# Altium PCB PCBv1.3.PcbDoc (part 2 of 2) (continued)
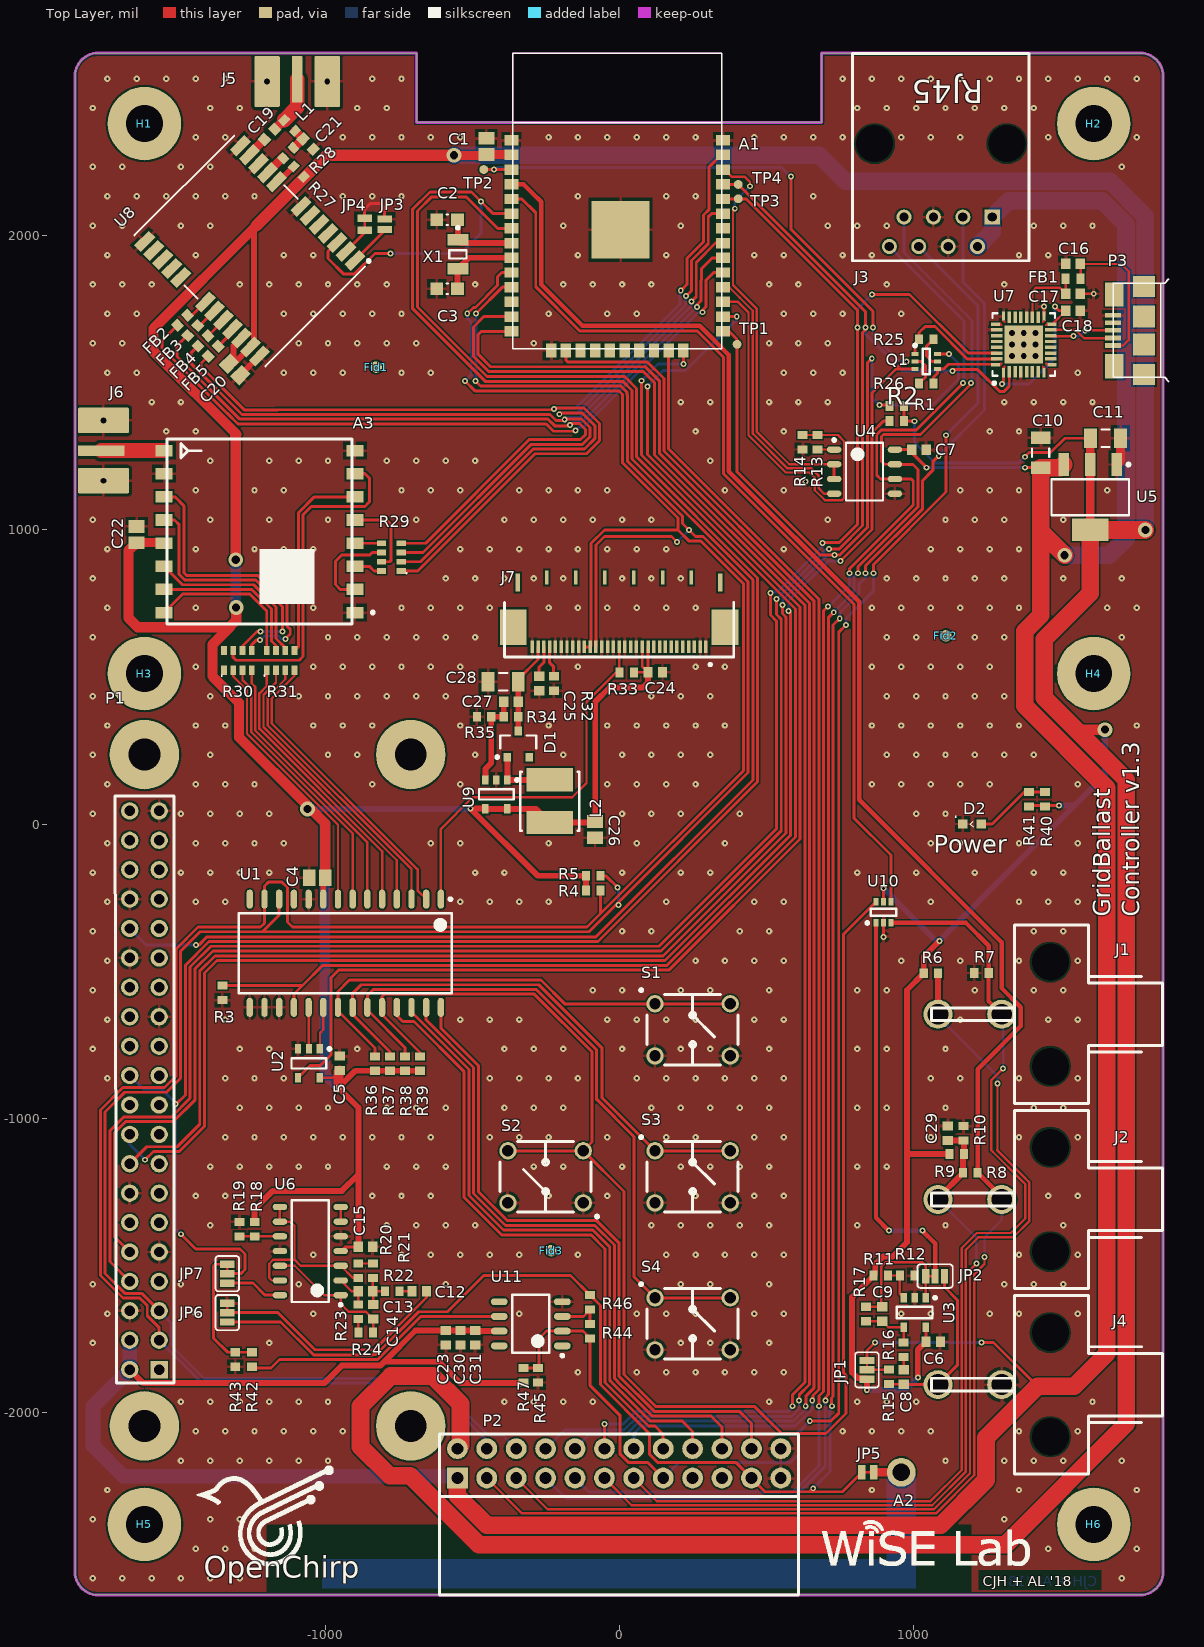
[diagram p0: Top Layer view]
## Nets (pads, with @x,y where several pads share a name; then routed paths per layer and width w, separated by ;. In a path a pad name is that pad's centre, name@x,y a point inside that pad or via, vN(x,y) a via of type N, cw(c..) or ccw(c..) an arc to the next point about the centre after c; other vN are vias at no path point) (continued)
GPS_PPS: A1.6 P1.32 U8.3 | length 6236.9
  Top Layer w10: v2(-1438.75,-412.11) -1429.74,-412.11 -1401.37,-383.75 -78.8,-383.75 455,150.05 455,830.39 43.83,1241.56 43.83,1466.02 43.54,1466.31 43.54,1474.38 12.3,1505.61 -455.45,1505.61 -701.92,1752.07 -701.92,2091.19 -643.43,2149.68 -501.85,2149.68 v2(-469.22,2117.05) -427.78,2075.6 A1.6@-366.24,2075.6 ; U8.3@-959.47,1978.21 -989.97,1947.71 -989.97,1922.95 -936.79,1869.77 -901.05,1869.77 -830.16,1940.67 v2(-777.4,1940.67)
  Bottom Layer w10: P1.32@-1664.17,-355.51 -1607.58,-412.11 v2(-1438.75,-412.11) ; v2(-777.4,1940.67) -537.44,1940.67 -469.22,2008.89 v2(-469.22,2117.05)
I2C.SCL: A1.11 J7.20 P1.5 P2.6 R5.1 U1.12 | length 8530.7
  Top Layer w10: P1.5@-1564.17,-1655.51 -1623.65,-1596.04 -1680.96,-1596.04 -1747.96,-1529.04 -1747.96,-979.23 -1681.08,-912.35 -1539.11,-912.35 -1491.29,-864.53 -1491.29,-432.72 -1425.09,-366.52 -1212.67,-366.52 ; U1.12@-1156.05,-255.56 -1156.05,-309.9 -1212.67,-366.52 ; v2(-488.34,1506.76) -471.18,1489.61 5.68,1489.61 27.54,1467.75 27.54,1459.68 27.83,1459.39 27.83,1234.94 215.91,1046.85 215.91,1021.87 v2(237.97,999.81) 260.02,977.76 285.01,977.76 438.78,823.98 438.78,174.84 -6.5,-270.45 -2.35,-274.59 v2(-2.35,-275.99) ; v2(-486.9,1735.93) -397.24,1825.6 A1.11@-366.24,1825.6 ; J7.20@-78.74,602.36 -78.74,948.71 -49.69,977.76 177.85,977.76 v2(196.88,958.73) ; R5.1@-63.07,-175.95 -45.11,-175.95 v2(-4.92,-216.14) ; v2@-7.2,-271.15 -102.58,-366.52 -1212.67,-366.52
  Bottom Layer w10: P1.5@-1564.17,-1655.51 -1523.65,-1696.04 -1523.65,-1773.41 -1411.41,-1885.65 -638.08,-1885.65 -445.76,-2077.98 -396.43,-2077.98 P2.6@-350,-2124.41 ; v2@-486.9,1506.76 v2(-486.9,1735.93) ; v2(-4.92,-216.14) -2.35,-218.7 v2(-2.35,-275.99) ; v2(196.88,958.73) v2(237.97,999.81)
I2C.SDA: A1.10 J7.21 J7.22 P1.3 P2.4 R4.1 U1.13 | length 8631.1
  Top Layer w10: P1.3@-1564.17,-1755.51 -1564.17,-1712.83 -1604.7,-1672.3 -1604.7,-1637.61 -1630.27,-1612.04 -1687.59,-1612.04 -1763.96,-1535.67 -1763.96,-972.61 -1687.7,-896.35 -1545.74,-896.35 -1507.29,-857.9 -1507.29,-426.09 -1431.72,-350.52 -1219.3,-350.52 -1206.05,-337.27 U1.13@-1206.05,-255.56 -1206.05,-211.15 -1192.9,-198 -1146.17,-198 -1128.15,-216.01 -1128.15,-333.39 -1111.03,-350.52 -109.2,-350.52 -63.07,-304.38 ; v2(-523.85,1506.31) -490.74,1473.19 -490.74,1472.74 -0.08,1472.74 11.54,1461.12 11.54,1228.6 199.91,1040.22 199.91,1000.08 ; v2(-516.43,1735.71) -516.43,1736.11 -495.6,1756.93 -488.53,1756.93 -413.52,1831.95 -413.52,1860.91 -398.82,1875.6 A1.10@-366.24,1875.6 ; J7.22@-118.11,602.36 J7.21@-98.43,602.36 -95.65,605.14 -95.65,954.43 -50,1000.08 199.91,1000.08 ; R4.1@-63.07,-226.63 -63.07,-304.38 ; -63.07,-304.38 422.78,181.46 422.78,817.36 278.38,961.76 238.23,961.76 199.91,1000.08
  Bottom Layer w10: P1.3@-1564.17,-1755.51 -1418.03,-1901.65 -645.25,-1901.65 -450,-2096.9 P2.4@-450,-2124.41 ; v2(-523.85,1506.31) -502.9,1527.25 -502.9,1706.87 -516.43,1720.39 v2(-516.43,1735.71)
INTA: U1.20 U2.1 | length 145.8
  Top Layer w8: U2.1@-1017.44,-764.77 -1017.44,-710.98 -1006.05,-699.59 U1.20@-1006.05,-623.67
INTB: U1.19 U2.2 | length 141.6
  Top Layer w8: U1.19@-1056.05,-623.67 -1056.05,-763.56 U2.2@-1054.84,-764.77
IO0: A1.25 P1.16 Q1.6 R1.1 TP1.1 | length 6380
  Top Layer w10: P1.16@-1664.17,-1155.51 -1606.35,-1097.68 -1502.52,-1097.68 -1426.11,-1021.28 -1426.11,-500.25 -1374.5,-448.64 149.56,-448.64 567.51,-30.68 567.51,703.36 555.32,715.55 555.32,743.94 v2(555.98,744.59) ; A1.25@353.76,1675.6 373.94,1675.6 401.28,1648.26 TP1.1@401.28,1631.38 401.28,1197.89 684.38,914.79 v2(732.73,914.79) 733.38,915.45 751.44,915.45 844.18,1008.19 844.18,1568.1 v2(859.41,1583.32) ; v2(885,1425) 916.73,1425 R1.1@920.19,1421.54 ; Q1.6@1083.29,1598.83 v2(1122.32,1598.83)
  Bottom Layer w10: v2(555.98,744.59) 556.63,745.25 556.63,763.04 707.73,914.13 732.07,914.13 v2(732.73,914.79) ; v2(859.41,1583.32) 859.41,1450.59 v2(885,1425) 1065.91,1425 1154.59,1513.68 1154.59,1566.56 v2(1122.32,1598.83)
IOE_INT: A1.26 U2.4 | length 4405.5
  Top Layer w10: U2.4@-1092.24,-863.2 -1050.94,-821.89 -1017.05,-821.89 -980.54,-785.38 -980.54,-523.43 -954.2,-497.09 168.99,-497.09 615.51,-50.57 615.51,737.76 96.54,1256.74 v2(96.54,1488.26) ; A1.26@353.76,1725.6 v2(400.12,1725.6)
  Bottom Layer w10: v2(96.54,1488.26) 150.16,1541.89 226.05,1541.89 400.12,1715.95 v2(400.12,1725.6)
IOE_R\S\T\: A1.24 R3.2 U1.18 | length 4225.4
  Top Layer w10: R3.2@-1348.95,-549.46 -1076.93,-549.46 ; U1.18@-1106.05,-623.67 -1106.05,-578.59 -1076.93,-549.46 ; v2(75.83,1507.38) 75.83,1497.25 75.54,1496.96 75.54,1479.56 75.83,1479.27 75.83,1254.82 599.51,731.14 599.51,-43.94 162.75,-480.7 -1008.17,-480.7 -1076.93,-549.46 ; v2(218.68,1564.21) A1.24@218.68,1610.6
  Bottom Layer w10: v2(75.83,1507.38) 132.67,1564.21 v2(218.68,1564.21)
Iref: J7.28 R32.1 | length 105.9
  Top Layer w10: J7.28@-236.22,602.36 -236.22,548.54 -222.42,534.75 ; R32.1@-222.42,503.38 -222.42,534.75 ; -222.42,534.88 -222.42,534.75 ; -221.68,534 -222.42,534.75
LCD_R\S\T\: J7.16 R33.1 U1.1 | length 1307.4
  Top Layer w8: U1.1@-606.05,-255.56 -606.05,-16.77 -498.22,91.06 -159.4,91.06 -110.7,139.75 -110.7,414.81 0,525.51 J7.16@0,602.36
Leak: J1.1 P2.13 R7.2 U10.3 | length 3591
  Top Layer w8: P2.13@50,-2224.41 128.24,-2302.65 1059.02,-2302.65 1165.14,-2196.53 1165.14,-1442.09 1216.21,-1391.02 1331.72,-1391.02 1381.29,-1341.45 1381.29,-1224.78 1372.42,-1215.91 1270.94,-1114.43 1265.08,-1108.58 1265.08,-872.02 v2(1305.88,-831.23)
  Top Layer w15: U10.3@924.92,-336.5 1179.71,-336.5 1257.16,-413.95 R7.2@1257.16,-506.66 1256.42,-507.4 1256.42,-602.2 J1.1@1301.08,-646.85
  Bottom Layer w8: J1.1@1301.08,-646.85 1317.46,-663.24 1305.88,-674.82 v2(1305.88,-831.23)
Leak/Mic: A1.5 U10.4 | length 3178.9
  Top Layer w10: A1.5@-366.24,2125.6 -330.71,2125.6 -283.53,2078.43 -283.53,1827.15 -132.52,1676.14 266.18,1676.14 354.77,1587.56 354.77,1191.39 798.19,747.96 798.19,20.86 924.92,-105.87 U10.4@924.92,-264.13
Leak_P: J1.2 P2.11 R6.1 | length 3299.1
  Top Layer w8: P2.11@-50,-2224.41 42.24,-2316.65 1065.02,-2316.65 1179.28,-2202.39 1179.28,-1447.74 1221.87,-1405.16 1340.64,-1405.16 1395.29,-1350.51 1395.29,-1218.98 1382.48,-1206.18 1382.48,-1205.98 1285.08,-1108.58 1286.8,-1106.86 v2(1286.8,-882.74)
  Top Layer w20: J1.2@1084.54,-646.85 R6.1@1084.54,-507.41
  Bottom Layer w8: J1.2@1084.54,-646.85 1084.54,-654.84 1285.19,-855.49 1285.08,-855.6 1286.8,-857.32 v2(1286.8,-882.74)
LoRa_R\S\T\: R31.4 U1.2 | length 1028.1
  Top Layer w8: R31.4@-1103.92,522.96 -1103.92,504.15 -1181.27,426.79 -1181.27,341.81 -685.22,-154.24 -685.22,-226.38 U1.2@-656.05,-255.56
MCU_EN: A1.3 P1.18 Q1.3 R2.1 TP2.1 | length 6943.5
  Top Layer w10: v2(-1611.99,-1141.79) -1583.88,-1113.68 -1495.89,-1113.68 -1410.11,-1027.9 -1410.11,-506.88 -1367.87,-464.64 142.93,-464.64 156.19,-464.64 583.51,-37.31 583.51,717.06 v2(576.32,724.25) ; TP2.1@-460.49,2225.78 -426.23,2225.78 v2(-426.08,2225.93) -425.76,2225.6 A1.3@-366.24,2225.6 ; v2(584.59,2201.46) 584.59,2022.4 863.39,1743.6 v2(863.39,1688.64) ; v2(753.07,894.45) 860.18,1001.56 860.18,1331.11 ; R2.1@920.19,1371.05 900.12,1371.05 860.18,1331.11 ; v2(977.61,1572.95) 967.22,1572.95 941.91,1547.65 ; Q1.3@1006.51,1547.65 941.91,1547.65 ; 860.18,1331.11 860.18,1465.92 941.91,1547.65
  Bottom Layer w10: P1.18@-1664.17,-1055.51 -1664.17,-1089.61 v2(-1611.99,-1141.79) ; v2(-426.08,2225.93) -419.35,2225.93 -412.26,2233.01 553.03,2233.01 v2(584.59,2201.46) ; v2(576.32,724.25) 576.98,724.91 576.98,760.75 579.92,763.69 710.01,893.79 752.41,893.79 v2(753.07,894.45) ; v2(863.39,1688.64) 863.39,1664.27 954.71,1572.95 v2(977.61,1572.95)
MCU_RX: A1.34 P1.8 TP3.1 U7.30 | length 6684
  Top Layer w10: P1.8@-1664.17,-1555.51 -1731.71,-1487.98 -1731.71,-1043.11 -1684.64,-996.04 -1522.55,-996.04 -1459,-932.49 -1459,-486.63 -1388.12,-415.75 135.93,-415.75 535.51,-16.17 535.51,689.54 514.63,710.42 514.63,784.62 v2(515.29,785.28) ; A1.34@353.76,2125.6 404.79,2125.6 TP3.1@405.29,2126.1 431.57,2126.1 811.43,1746.25 811.43,1020.69 747.53,956.79 693.35,956.79 v2(692.04,955.48) ; v2(860.18,1800.66) 987.98,1800.66 1187.07,1601.56 U7.30@1283.63,1601.56
  Bottom Layer w10: v2(515.29,785.28) 518.49,788.48 536.82,788.48 692.04,943.7 v2(692.04,955.48) ; v2(811.39,1688.64) 811.39,1751.86 v2(860.18,1800.66)
MCU_TX: A1.35 P1.10 TP4.1 U7.2 | length 6619.1
  Top Layer w10: P1.10@-1664.17,-1455.51 -1715.71,-1403.98 -1715.71,-1049.73 -1678.02,-1012.04 -1515.92,-1012.04 -1443,-939.12 -1443,-493.25 -1381.49,-431.75 142.56,-431.75 551.51,-22.8 551.51,696.16 534.98,712.7 534.98,764.28 v2(535.63,764.94) ; A1.35@353.76,2175.6 404.7,2175.6 TP4.1@405.29,2175.01 837.39,1742.91 v2(837.39,1688.64) 837.39,1680.28 828.18,1671.08 828.18,1014.82 749.16,935.79 v2(713.83,935.79) ; v2(1133.59,1540.61) 1137.98,1545 1219.79,1545 1293.35,1471.44 1309.78,1471.44 1326.94,1488.6 U7.2@1326.94,1538.57
  Bottom Layer w10: v2(535.63,764.94) 535.9,764.94 706.76,935.79 v2(713.83,935.79) ; v2(837.39,1688.64) 837.39,1667.65 964.42,1540.61 v2(1133.59,1540.61)
Mic: JP2.2 U10.1 | length 1351
  Top Layer w15: U10.1@873.74,-336.5 873.74,-1339.35 v2(917.46,-1383.07) ; v2(1031.35,-1383.07) 1074.49,-1426.21 JP2.2@1074.49,-1537.59
  Bottom Layer w15: v2(917.46,-1383.07) v2(1031.35,-1383.07)
Mic_In: C8.1 J4.2 JP2.1 R15.1 | length 582.1
  Top Layer w8: R15.1@917.46,-1905.06 917.76,-1905.36 C8.1@968.04,-1905.36
  Top Layer w10: C8.1@968.04,-1905.36 969.38,-1906.69 J4.2@1084.54,-1906.69 1150.14,-1841.09 1150.14,-1618.64 1106.49,-1574.99 JP2.1@1106.49,-1537.59
MISO_SX: A3.2 R29.6 | length 322
  Top Layer w10: A3.2@-898.19,797.65 -948.29,797.65 -964.9,814.26 -964.9,893.27 -944.06,914.11 -848.53,914.11 -839.24,923.39 R29.6@-808,923.39
MOSI_SX: A3.3 R29.8 | length 96.8
  Top Layer w10: A3.3@-898.19,876.39 -849.6,876.39 -833.61,860.4 R29.8@-808,860.4
NetA1_8: A1.8 C2.2 X1.1 | length 255.8
  Top Layer w20: C2.2@-549.42,2055.02 -548.4,2054 X1.1@-548.4,1986.26 -537.74,1975.6 A1.8@-366.24,1975.6
NetA1_9: A1.9 C3.2 X1.2 | length 265.7
  Top Layer w20: C3.2@-549.42,1820.39 -549.42,1886.82 X1.2@-548.4,1887.84 -510.63,1925.6 A1.9@-366.24,1925.6
NetA2_1: A2.1 JP5.1 | length 94
  Top Layer w30: JP5.1@865.69,-2204.72 A2.1@959.65,-2204.72
NetA3_9: A3.9 J6.1 | length 213.6
  Top Layer w10: J6.1@-1761.39,1270 J6.1@-1761.3,1270.09
  Top Layer w50: J6.1@-1761.3,1270.09 A3.9@-1547.8,1270.09
NetC8_2: C8.2 R16.1 | length 43.1
  Top Layer w8: R16.1@967.5,-1813.24 967.5,-1855.61 C8.2@968.04,-1856.14
NetC9_1: C9.1 R16.2 R17.1 U3.4 | length 188.4
  Top Layer w8: R17.1@839.91,-1691.14 C9.1@894.91,-1691.14 915.5,-1711.73 U3.4@967.5,-1711.73 R16.2@967.5,-1764.03
NetC9_2: C9.2 JP2.3 R17.2 U3.1 | length 462.8
  Top Layer w8: R17.2@839.91,-1641.92 C9.2@891.12,-1641.92 ; C9.2@894.91,-1641.92 C9.2@891.12,-1641.92 ; U3.1@1042.31,-1611.33 1042.31,-1537.77 1042.31,-1501.77 1031.35,-1490.81 906.19,-1490.81 891.12,-1505.88 C9.2@891.12,-1641.92
  Top Layer w20: JP2.3@1042.31,-1537.77 JP2.3@1042.49,-1537.59
NetC12_1: C12.1 R22.1 | length 42.5
  Top Layer w8: R22.1@-746.48,-1588.99 C12.1@-704.48,-1588.99 ; C12.1@-704.81,-1584.11 C12.1@-704.48,-1584.44
NetC12_2: C12.2 JP6.2 | length 809.6
  Top Layer w10: JP6.2@-1317.48,-1661.73 -1160.52,-1661.73 -1034.13,-1788.11 -833.09,-1788.11 -687.67,-1642.69 -687.6,-1642.69 -655.27,-1610.36 C12.2@-655.27,-1588.99
NetC13_1: C13.1 R23.2 U6.2 | length 119.9
  Top Layer w8: U6.2@-946.83,-1552.4 -910.25,-1588.98 C13.1@-887.42,-1588.98 -887.42,-1633.7 R23.2@-886.95,-1634.17
NetC13_2: C13.2 C14.2 R21.1 R22.2 | length 134.6
  Top Layer w8: R21.1@-836.5,-1543.8 -838.21,-1545.51 C13.2@-838.21,-1588.98 ; C14.2@-836.31,-1634.17 -836.31,-1590.88 C13.2@-838.21,-1588.98 ; R22.2@-795.81,-1583.98 R22.2@-795.69,-1584.11 ; R22.2@-795.69,-1588.99 C13.2@-838.21,-1588.98
NetC16_2: C16.2 FB1.1 P3.1 | length 520.7
  Top Layer w8: FB1.1@1569.66,1853.97 1569.66,1903.32 C16.2@1568.28,1904.7 1707.7,1904.7 1732.73,1879.67 1732.73,1645.76 1714.4,1627.43 P3.1@1679.69,1627.43
NetC19_2: C19.2 J5.1 L1.2 | length 202.4
  Top Layer w30: C19.2@-1171.49,2362.84 -1140.2,2394.14 L1.2@-1139.24,2394.14
  Top Layer w50: L1.2@-1139.24,2394.14 -1095,2438.38 J5.1@-1095,2533
NetC21_2: C21.2 L1.1 R28.2 | length 83.4
  Top Layer w30: R28.2@-1107.35,2299.27 -1105.72,2299.27 -1075.05,2329.94 L1.1@-1102.21,2357.11
NetC27_1: C27.1 R34.1 R35.2 U9.3 | length 317
  Top Layer w20: U9.3@-454.61,149.97 -454.61,187.66 -434.73,207.54 R35.2@-434.73,364.78 ; R35.2@-434.73,364.78 R34.1@-392.36,364.81 -392.36,415.97 C27.1@-392.09,416.25
NetD1_1: D1.1 L2.2 U9.1 | length 221.6
  Top Layer w20: D1.1@-380.3,227.43 -379.8,226.94 U9.1@-379.8,149.97 -379.51,150.26 L2.2@-235.99,150.26
NetD2_A: D2.A R40.2 R41.2 | length 261.9
  Top Layer w10: D2.A@1231.5,0 1268.74,0 1376.93,108.19 R41.2@1393.59,108.19 R40.2@1448.55,108.19
NetFB2_2: FB2.2 U8.18 | length 79.1
  Top Layer w10: FB2.2@-1467.76,1730.55 -1452.11,1730.55 U8.18@-1407.23,1775.43
NetFB3_2: FB3.2 U8.19 | length 76.5
  Top Layer w10: FB3.2@-1432.7,1695.49 -1425.93,1695.49 U8.19@-1376.61,1744.8
NetFB4_2: FB4.2 U8.20 | length 75.7
  Top Layer w10: FB4.2@-1397.98,1660.02 -1345.99,1712.02 U8.20@-1345.99,1714.18
NetFB5_2: FB5.2 U8.21 | length 78.4
  Top Layer w10: FB5.2@-1362.94,1624.88 -1315.36,1672.46 U8.21@-1315.36,1683.56
NetJP1_2: JP1.2 R15.2 | length 61.2
  Top Layer w8: JP1.2@856.84,-1856.41 856.84,-1855.85 R15.2@917.46,-1855.85
NetQ1_2: Q1.2 R26.1 | length 111.5
  Top Layer w10: Q1.2@1006.51,1573.24 1027.01,1573.24 1042.75,1557.5 1042.75,1520.47 R26.1@1020.29,1498.01
NetQ1_5: Q1.5 R25.1 | length 112.3
  Top Layer w10: R25.1@1069.5,1648.5 1044.9,1623.89 1044.9,1592.92 1064.59,1573.24 Q1.5@1083.29,1573.24
NetR11_1: R11.1 R12.2 U3.3 | length 121.1
  Top Layer w8: R11.1@914.9,-1535.37 954.8,-1535.37 954.8,-1598.63 U3.3@967.5,-1611.33
NetR13_2: R13.2 U4.1 | length 56.2
  Top Layer w8: R13.2@675.18,1273.6 731.06,1273.6 U4.1@731.29,1273.38
NetR18_1: R18.1 R19.2 U6.10 | length 138.2
  Top Layer w8: R19.2@-1291.76,-1402.4 U6.10@-1153.52,-1402.4
NetR20_2: R20.2 R21.2 | length 50.6
  Top Layer w8: R20.2@-887.13,-1494.59 R21.2@-836.5,-1494.59
NetR23_1: R23.1 R24.2 | length 45.8
  Top Layer w8: R23.1@-886.95,-1683.38 -886.54,-1683.79 R24.2@-886.54,-1728.96
NetR42_2: R42.2 U11.6 | length 915.2
  Top Layer w10: R42.2@-1248.65,-1845.81 -1244.71,-1849.75 -1183.95,-1849.75 -1155.4,-1821.2 -820.93,-1821.2 -674.42,-1674.69 U11.6@-407.61,-1674.69
NetU6_6: U6.6 U6.7 | length 53.9
  Top Layer w8: U6.6@-950.78,-1352.4 U6.6@-946.83,-1352.4 U6.7@-946.83,-1302.4
R\S\T\: R27.1 U8.8 | length 80
  Top Layer w20: U8.8@-1165.48,2184.21 -1158.81,2184.21 R27.1@-1106.93,2236.09
R\S\T\_SX: A3.6 R31.5 | length 688.9
  Top Layer w10: R31.5@-1103.92,589.88 -1090.79,603.01 -1090.79,1058.28 -1036.46,1112.61 A3.6@-898.19,1112.61
RF_IN: C19.1 U8.11 | length 73.1
  Top Layer w30: U8.11@-1257.35,2276.08 -1257.35,2276.98 C19.1@-1206.29,2328.04
RFU1: P2.17
RFU2: P2.19
RS485_DE: A1.36 U4.2 U4.3 | length 1374.8
  Top Layer w8: A1.36@353.76,2225.6 359.24,2225.6 383.96,2200.88 427.95,2200.88 445.07,2183.77 v2(445.07,2168.93) ; v2(393.46,2092.53) 387.38,2086.45 387.38,1832.64 416.02,1804 468.61,1751.39 468.61,1333.38 578.61,1223.38 U4.2@730.66,1223.38 ; U4.3@730.66,1173.38 U4.3@731.29,1173.38
  Top Layer w10: U4.3@730.66,1173.38 U4.2@730.66,1223.38
  Bottom Layer w8: v2(393.46,2092.53) 393.46,2117.32 v2(445.07,2168.93)
RS485_RX: A1.27 R13.1 R14.2 | length 1306.5
  Top Layer w8: A1.27@353.76,1775.6 404.24,1775.6 440.21,1739.63 440.21,1322.18 567.01,1195.38 647.36,1195.38 665.47,1177.27 665.47,1135.13 699.12,1101.48 758.36,1101.48 765.89,1109.01 765.89,1301.04 744.12,1322.82 R13.1@675.18,1322.82 R14.2@624.16,1322.82
RS485_TX: A1.28 U4.4 | length 938
  Top Layer w8: A1.28@353.76,1825.6 374.4,1825.6 410,1790 410.2,1790 454.61,1745.59 454.61,1327.58 572.81,1209.38 653.16,1209.38 679.47,1183.07 679.47,1140.92 697.02,1123.38 U4.4@731.29,1123.38
RS4855_A: J3.8 P2.9 U4.6 | length 5580.8
  Top Layer w10: v2@680,-1980 680,-1945.72 695.51,-1930.2 695.51,725.51 v2(710,740) ; v2(783.16,852.73) 783.16,868.16 1000.3,1085.3 1000.3,1166.35 993.27,1173.38 U4.6@937.98,1173.38 888.75,1173.38 876.18,1185.95 876.18,1324.48 892.22,1340.52 1011.13,1340.52 v2(1169.9,1499.29)
  Bottom Layer w10: P2.9@-150,-2224.41 -102.11,-2272.3 590.4,-2272.3 680,-2182.7 v2@680,-1980 ; v2(710,740) 710,737.9 783.16,811.06 v2(783.16,852.73) ; J3.8@918.96,1964 1172.79,1710.17 1172.79,1502.18 v2(1169.9,1499.29)
  other v2: 679.28,-1980
RS4855_B: J3.7 P2.7 U4.7 | length 5817.9
  Top Layer w10: v2(701.6,-1960.18) 701.6,-1950.36 711.51,-1940.46 711.51,701.51 v2(730,720) ; v2(812.19,852.73) 812.19,874.57 1016.3,1078.68 1016.3,1205.57 999.43,1222.45 U4.7@928.42,1222.45 ; U4.7@937.98,1223.38 901.82,1223.38 892.18,1233.01 892.18,1317.86 898.85,1324.52 1024.83,1324.52 1197.02,1496.71 v2(1197.02,1499.29)
  Bottom Layer w10: P2.7@-250,-2224.41 -180.27,-2294.14 473.03,-2294.14 478.86,-2288.3 597.03,-2288.3 701,-2184.33 v2@701,-1960.18 ; v2(730,720) 730,721.13 799.16,790.29 799.16,839.03 v2@812.52,852.39 ; J3.7@968.96,2064 968.96,1943.64 1199.8,1712.79 1199.8,1502.08 v2(1197.02,1499.29)
SAFEBOOT_N: JP3.2 U8.1 | length 146
  Top Layer w10: U8.1@-898.23,1916.96 -797.11,2018.08 JP3.2@-797.11,2021.03
SCK_SX: A3.4 R29.5 | length 90.3
  Top Layer w10: A3.4@-898.19,955.13 -897.95,954.89 R29.5@-808,954.89
SPI.MISO: A1.31 FB4.1 R29.3 | length 3221.8
  Top Layer w10: FB4.1@-1432.22,1625.78 -1455.28,1602.72 -1455.28,1565.56 -1282.35,1392.62 -234.84,1392.62 -214.66,1372.44 -187.64,1372.44 v2(-185.03,1375.05) -182.41,1377.67 -127.97,1377.67 -98.7,1348.4 -98.7,1316.95 -124.43,1291.22 -298.86,1291.22 -666.69,923.39 R29.3@-741.08,923.39 ; v2(246.47,1777.07) 262.38,1792.98 262.38,1909.85 328.13,1975.6 A1.31@353.76,1975.6
  Bottom Layer w10: v2(-185.03,1375.05) -177.64,1382.44 -134.02,1382.44 243.85,1760.32 243.85,1774.46 v2(246.47,1777.07)
SPI.MOSI: A1.37 FB5.1 R29.1 | length 3558
  Top Layer w10: FB5.1@-1397.19,1590.63 -1421.82,1566 -1421.82,1555.57 -1274.88,1408.62 -1162.06,1408.62 ; -1170.26,1408.73 -224.89,1408.73 v2(-221.8,1411.82) -219.18,1414.44 -119.48,1414.44 -66.7,1361.65 -66.7,1303.7 -111.18,1259.22 -285.61,1259.22 -684.43,860.4 R29.1@-741.08,860.4 ; v2(209.7,1813.84) 230.38,1834.52 230.38,1923.11 287.14,1979.87 287.14,2071.57 306.22,2090.64 306.22,2234.96 346.86,2275.6 A1.37@353.76,2275.6
  Bottom Layer w10: v2(-221.8,1411.82) -219.18,1414.44 -147.28,1414.44 207.08,1768.8 207.08,1811.23 v2(209.7,1813.84)
SPI.SCK: A1.30 FB3.1 R29.4 | length 3208.2
  Top Layer w10: FB3.1@-1466.94,1661.25 -1468.92,1661.25 -1503.48,1626.69 -1503.48,1590.25 -1289.86,1376.62 -241.47,1376.62 -218.9,1354.05 -176.33,1354.05 -170.18,1360.21 v2(-166.64,1356.67) -161.64,1361.67 -134.6,1361.67 -114.7,1341.77 -114.7,1323.58 -131.06,1307.22 -305.49,1307.22 -657.82,954.89 R29.4@-741.08,954.89 ; v2(264.85,1758.69) 264.85,1765.76 278.38,1779.29 278.38,1848.96 279.7,1850.28 279.7,1887.33 317.97,1925.6 A1.30@353.76,1925.6
  Bottom Layer w10: v2(-166.64,1356.67) -156.87,1366.44 -127.4,1366.44 v2(264.85,1758.69)
SPI_C\S\0\: A1.29 FB2.1 | length 2415.5
  Top Layer w10: FB2.1@-1502,1696.31 -1554.61,1643.7 -1554.61,1618.46 -1333.05,1396.9 -1332.76,1396.9 -1296.48,1360.62 -248.1,1360.62 -223.14,1335.67 -150.87,1335.67 v2(-148.26,1338.28) ; v2(283.24,1740.3) 283.24,1747.37 296.15,1760.29 296.15,1850.09 321.66,1875.6 A1.29@353.76,1875.6
  Bottom Layer w10: v2(-148.26,1338.28) -136.1,1350.44 -120.77,1350.44 266.48,1737.69 273.55,1737.69 280.62,1744.76 280.62,1737.69 v2(283.24,1740.3)
SPI_C\S\1\: A1.33 R29.2 | length 1991.1
  Top Layer w10: R29.2@-741.08,891.89 -675.56,891.89 -292.24,1275.22 -117.8,1275.22 -82.7,1310.33 -82.7,1355.02 -126.11,1398.44 -198.41,1398.44 v2(-203.41,1393.44) v2@-206.03,1390.82 ; v2(228.08,1795.46) 246.38,1813.75 246.38,1916.48 303.14,1973.24 303.14,2064.94 313.81,2075.6 A1.33@353.76,2075.6
  Bottom Layer w10: v2(-203.41,1393.44) -198.41,1398.44 -140.65,1398.44 225.47,1764.56 225.47,1792.84 v2(228.08,1795.46)
USB_5V: C17.2 FB1.2 U7.19 | length 265.9
  Top Layer w8: U7.19@1405.68,1723.61 1405.68,1811.92 1416.95,1823.2 1499.12,1823.2 C17.2@1519.07,1803.25 1519.07,1852.59 FB1.2@1517.69,1853.97
USB_D_N: P3.2 U7.15 | length 243
  Top Layer w8: U7.15@1458.83,1680.3 U7.15@1468.67,1680.3 1552.9,1680.3 1581.12,1652.07 P3.2@1690.13,1652.07
USB_D_P: P3.3 U7.14 | length 219.5
  Top Layer w8: U7.14@1468.67,1660.62 1469.94,1659.34 v2(1545.45,1659.34) ; v2(1585.36,1678.31) 1585.66,1678.61 P3.3@1679.69,1678.61
  Bottom Layer w8: v2(1545.45,1659.34) 1566.4,1659.34 v2(1585.36,1678.31)
VCC: C27.2 C28.2 D1.3 J7.30 R34.2 | length 315
  Top Layer w10: C28.2@-342.88,483.34 -342.88,492.44 -275.59,559.73 J7.30@-275.59,602.36
  Top Layer w20: C28.2@-343.3,483.77 -342.88,483.34 C27.2@-342.88,416.25 -343.15,415.98 R34.2@-343.15,364.81 -342.89,364.56 D1.3@-342.89,316.01
VCC_RF: R28.1 U8.9 | length 74.5
  Top Layer w30: U8.9@-1196.1,2214.84 -1146.47,2264.47 R28.1@-1142.15,2264.47
Vcomh: C25.2 J7.29 | length 106.5
  Top Layer w10: C25.2@-272.81,503.45 -272.81,534.17 ; -272.06,533.28 -255.91,549.43 J7.29@-255.91,602.36
VMid: R20.1 U6.3 U6.8 U6.9 U6.13 | length 642.3
  Top Layer w8: U6.13@-1153.52,-1552.4 -1181.19,-1552.4 -1189.69,-1543.9 -1189.69,-1495.34 -1175.93,-1481.58 -1103.89,-1481.58 ; U6.8@-1153.52,-1302.4 U6.9@-1153.52,-1352.4 -1118.87,-1352.4 -1103.89,-1367.38 -1103.89,-1481.58 ; R20.1@-887.13,-1543.8 -905.43,-1543.8 U6.3@-946.83,-1502.4 -1083.06,-1502.4 -1103.89,-1481.58
Voltage: R44.1 R46.2 U11.3 | length 152.6
  Top Layer w10: U11.3@-193.04,-1674.69 -121.5,-1674.69 R46.2@-98.43,-1651.62 R44.1@-98.43,-1700.08
Voltage: A1.12
pads on no net: A1.17 A1.18 A1.19 A1.20 A1.21 A1.22 A1.32 D1.2 Fid1. Fid2. Fid3. H1.1 H2.1 H3.1 H4.1 H5.1 H6.1 J1.0 J2.0 J3.0 J4.0 J7.0 J7.3 J7.4 J7.5 J7.6 J7.7 J7.8 J7.9 J7.10 J7.14 P1.0 P1.1 P1.7 P1.11 P1.12 P1.13 P1.15 P1.17 P1.19 P1.21 P1.23 P1.24 P1.26 P1.27 P1.28 P1.29 P1.31 P1.33 P1.35 P1.36 P1.37 P1.38 P1.40 P3.0 P3.4 R30.1 R30.8 U1.11 U1.14 U7.3 U7.5 U7.6 U7.7 U7.8 U7.9 U7.10 U7.11 U7.12 U7.13 U7.18 U7.21 U7.22 U7.23 U7.25 U7.27 U7.28 U7.29 U8.4 U8.5 U8.6 U8.14 U8.15 U8.16 U8.17 U11.1 U11.5 U11.8

## Polygon pours and split planes (outlines as drawn)
GND on Bottom Layer "Bottom Layer-GND" (solid, remove dead copper, pour order 1): -688.98,2622.05 -688.98,2385.83 688.98,2385.83 688.98,2622.05 1771.65,2622.05 cw(c1771.65,2543.31) 1850.39,2543.31 1850.39,-2543.31 cw(c1771.65,-2543.31) 1771.65,-2622.05 -1771.65,-2622.05 cw(c-1771.65,-2543.31) -1850.39,-2543.31 -1850.39,2543.31 cw(c-1771.65,2543.31) -1771.65,2622.05
GND on Top Layer "Top Layer-GND" (solid, remove dead copper, pour order 0): -688.98,2622.05 -688.98,2385.83 688.98,2385.83 688.98,2622.05 1771.65,2622.05 cw(c1771.65,2543.31) 1850.39,2543.31 1850.39,-2543.31 cw(c1771.65,-2543.31) 1771.65,-2622.05 -1771.65,-2622.05 cw(c-1771.65,-2543.31) -1850.39,-2543.31 -1850.39,2543.31 cw(c-1771.65,2543.31) -1771.65,2622.05

## Keep-outs
Keep-Out Layer:
  the board outline again, w10

## Other copper
Top Layer:
  text "CJH + AL '18" at 1236,-2592 h35
Bottom Layer:
  text "CJH + AL '18" at 1626.72,-2592.06 h35
Multi-Layer:
  pour cut-out: -1200,-2381.89 1200,-2381.89 1200,-2622.05 -1200,-2622.05

## Silkscreen, mask and mechanical layers (free items; w line width, h text height)
Top Overlay:
  drawing of 2521 lines, arcs and shapes, not listed
  text "Power" at 1069.96,-97.77 h60
  text "GridBallast / Controller v1.3" at 1790.07,-314.62 h100 r90
  text "OpenChirp" at -1412.92,-2587.33 h125
  text "CJH + AL '18" at 1236,-2592 h35
Mechanical 1:
  text "Power LED is / 1200mil right / of center and / vertically center" at 2149.92,-265.18 h40
Mechanical 15:
  circle w10: c-1614.17,511.81 r62.17
  circle w10: c-1614.17,2381.89 r62.17
  circle w10: c1614.17,2381.89 r62.17
  circle w10: c1614.17,511.81 r62.17
  circle w10: c1614.17,-2381.89 r62.17
  circle w10: c-1614.17,-2381.89 r62.17
  circle w10: c250,-700 r75
  circle w10: c-250,-1200 r75
  circle w10: c250,-1200 r75
  circle w10: c250,-1700 r75
  lines w10: 1771.65,-2622.05 -1771.65,-2622.05 cw(c-1771.65,-2543.31) -1850.39,-2543.31 -1850.39,2543.31 cw(c-1771.65,2543.31) -1771.65,2622.05 -688.98,2622.05 688.98,2622.05 1771.65,2622.05 cw(c1771.65,2543.31) 1850.39,2543.31 1850.39,-2543.31 cw(c1771.65,-2543.31) 1772.18,-2622.05

## Dimensions
-1850.39,-2543.31 to -1614.17,-2381.89 on Mechanical 1
-1771.65,-2622.05 to -1614.17,-2381.89 on Mechanical 1
-1850.39,-2543.31 to 1850.39,-2543.31 on Mechanical 1
1771.65,2622.05 to 1771.65,-2622.05 on Mechanical 1

## Text inside footprints (layer, text, board x,y; h text height)
J3: Top Overlay "RJ45" at 1237.72,2529.61 h78.74 r180
P1: Mechanical 1 "SD Card" at -1440.3,-2162.79 h59.06; Mechanical 1 "HDMI" at -593.03,-1839.21 h78.74 r90; Mechanical 1 "USB" at -592.2,-636.89 h59.06 r90; Mechanical 1 "USB" at -589.17,-134.65 h59.06 r90
P2: Mechanical 1 "11.37MM / FROM / CENTER" at 88,-2560.15 h39.37 r90